# Altium PCB Slave.PcbDoc (part 10 of 10)
Units mm, origin at the board's own origin, x right, y up, seen from the top; angles counter-clockwise.
Board outline 380 x 63 mm, 4 copper layers (Top Copper, Signal Layer 1, Signal Layer 2, Bottom Copper), stack 1.586 mm thick; 259 components, 195 nets, 816 pads, 23336 vias.
Unrouted connection lines stored in the file: 47.
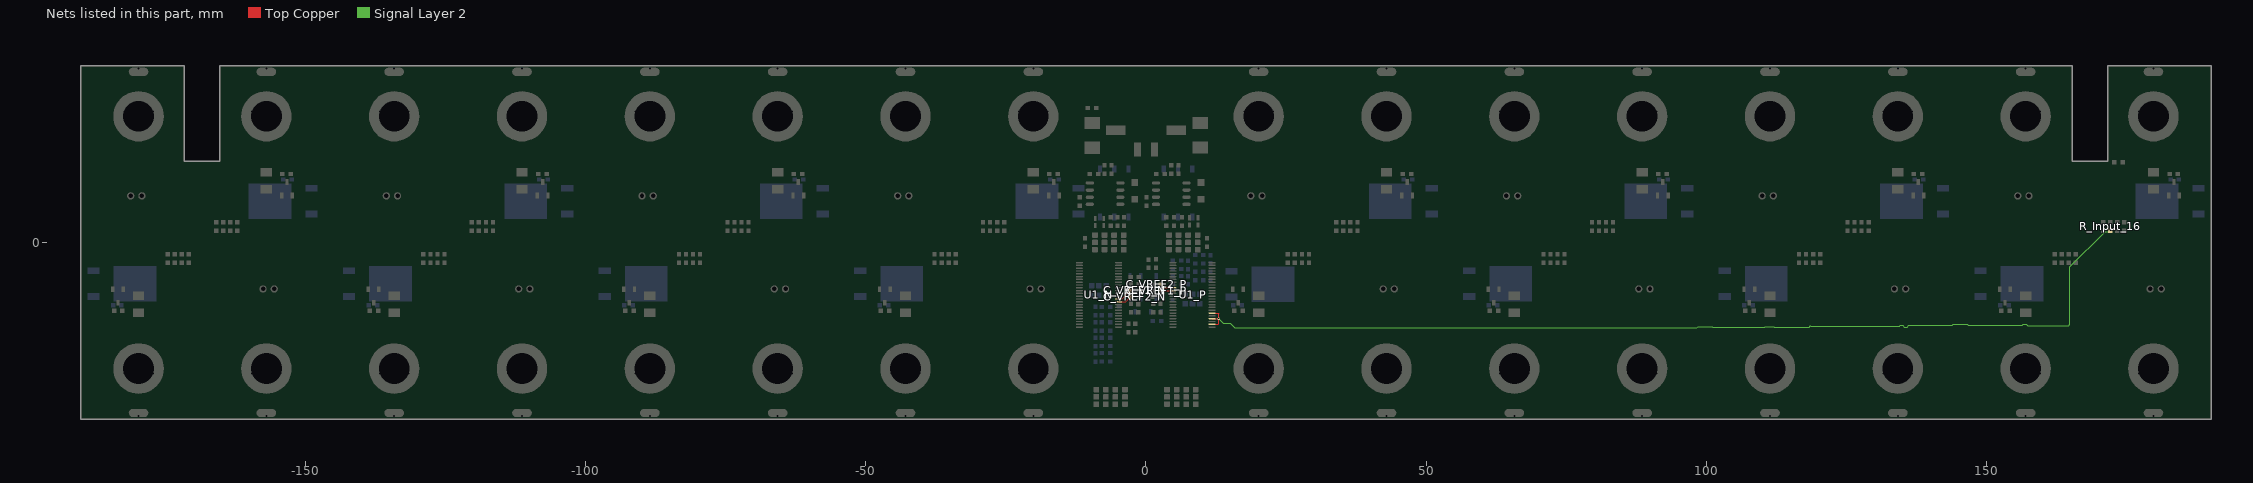
[diagram p12: the nets of this part, all layers, seen from the top]

## Via types
v1: diameter 0.45, hole 0.2, Top Copper to Bottom Copper, tented both sides, 23076 vias
v2: diameter 0.45, hole 0.2, Top Copper to Bottom Copper, 250 vias
v3: diameter 1.2, hole 0.8, Top Copper to Bottom Copper, 10 vias

## Nets (pads, with @x,y where several pads share a name; then routed paths per layer and width w, separated by ;. In a path a pad name is that pad's centre, name@x,y a point inside that pad or via, vN(x,y) a via of type N, cw(c..) or ccw(c..) an arc to the next point about the centre after c; other vN are vias at no path point) (continued)
V8_C2: R_Input_16.2 U1_P.2 U1_P.4 U1_P.6 | length 179.2
  Top Copper w0.102: U1_P.2@11.8,-14.6 12.9,-14.6 13,-14.5 v2@13,-13.575 ; U1_P.4@11.8,-13.6 v2(12.975,-13.6) v2@13,-13.575 ; U1_P.6@11.8,-12.6 12.875,-12.6 13,-12.725 v2@13,-13.575
  Signal Layer 2 w0.102: v2(12.975,-13.6) 13.788,-14.413 15.05,-14.413 15.863,-15.226 98.282,-15.226 98.485,-15.022 101.013,-15.022 101.088,-15.097 110.411,-15.097 110.485,-15.022 112.013,-15.022 112.088,-15.097 118.302,-15.097 118.501,-14.898 118.59,-14.987 134.408,-14.987 134.576,-14.819 134.957,-14.819 135.247,-15.11 135.753,-15.11 136.078,-14.784 143.824,-14.784 143.992,-14.616 146.506,-14.616 146.674,-14.784 156.324,-14.784 156.492,-14.616 157.006,-14.616 157.263,-14.872 164.565,-14.872 164.803,-14.634 164.803,-4.356 171.084,1.925 171.85,1.925 v2(172.025,2.1)
VREF1_N: C_VREF1_N.2 U1_N.35 | length 2.8
  Top Copper w0.102: U1_N.35@-4.9,-10.1 -4.872,-10.072 -4.252,-10.072 -3.099,-8.919 -3.099,-8.894 -2.775,-8.57 C_VREF1_N.2@-2.75,-8.57
VREF1_P: C_VREF1_P.2 U1_P.35 | length 2.2
  Top Copper w0.102: C_VREF1_P.2@2.65,-8.6 U1_P.35@4.8,-8.6
VREF2_N: C_VREF2_N.2 U1_N.34 | length 2.5
  Top Copper w0.102: U1_N.34@-4.9,-10.6 -3.65,-10.6 -3.099,-10.049 -3.099,-10.024 -2.775,-9.7 C_VREF2_N.2@-2.75,-9.7
VREF2_P: C_VREF2_P.2 U1_P.34 | length 2.4
  Top Copper w0.102: C_VREF2_P.2@2.65,-7.5 2.675,-7.5 2.999,-7.824 2.999,-7.849 3.25,-8.1 U1_P.34@4.8,-8.1
pads on no net: U1_N.3 U1_N.5 U1_N.15 U1_N.17 U1_N.39 U1_P.3 U1_P.5 U1_P.15 U1_P.17 U1_P.39 U2_N.5 U2_P.5 X1.TAB1 X1.TAB2 X_IPMA_N.2 X_IPMA_N.5 X_IPMA_P.2 X_IPMA_P.5

## Polygon pours and split planes (outlines as drawn)
NEG1_C2 on Bottom Copper "NEG1_C2_L04_P098" (solid, pour order 98): 9.802,10.73 0.5,10.73 0.5,-31.5 9.825,-31.5
NEG1_C1 on Bottom Copper "NEG1_C1_L04_P096" (solid, pour order 96): -9.802,10.605 -0.5,10.605 -0.5,-31.5 -9.825,-31.5
F_9 on Bottom Copper "F_9_L04_P082" (solid, remove dead copper, pour order 82): 9.8,-3.5 52.8,-3.5 52.8,-16 9.8,-16
F_11 on Bottom Copper "F_11_L04_P074" (solid, remove dead copper, pour order 74): 55.4,-3.5 98.4,-3.5 98.4,-16 55.4,-16
F_13 on Bottom Copper "F_13_L04_P066" (solid, remove dead copper, pour order 66): 101,-3.5 144,-3.5 144,-16 101,-16
F_15 on Bottom Copper "F_15_L04_P058" (solid, remove dead copper, pour order 58): 146.6,-3.5 189.6,-3.5 189.6,-16 146.6,-16
F_7 on Bottom Copper "F_7_L04_P046" (solid, remove dead copper, pour order 46): -53.2,-3.5 -10.2,-3.5 -10.2,-16 -53.2,-16
F_5 on Bottom Copper "F_5_L04_P042" (solid, remove dead copper, pour order 42): -98.8,-3.5 -55.8,-3.5 -55.8,-16 -98.8,-16
F_3 on Bottom Copper "F_3_L04_P038" (solid, remove dead copper, pour order 38): -144.4,-3.5 -101.4,-3.5 -101.4,-16 -144.4,-16
F_1 on Bottom Copper "F_1_L04_P002" (solid, remove dead copper, pour order 2): -190,-3.5 -147,-3.5 -147,-16 -190,-16
F_10 on Bottom Copper "F_10_L04_P086" (solid, remove dead copper, pour order 86): 53.2,3.5 10.2,3.5 10.2,16 53.2,16
F_12 on Bottom Copper "F_12_L04_P078" (solid, remove dead copper, pour order 78): 98.8,3.5 55.8,3.5 55.8,16 98.8,16
F_14 on Bottom Copper "F_14_L04_P070" (solid, remove dead copper, pour order 70): 144.4,3.5 101.4,3.5 101.4,16 144.4,16
F_16 on Bottom Copper "F_16_L04_P062" (solid, remove dead copper, pour order 62): 190,3.5 147,3.5 147,16 190,16
F_8 on Bottom Copper "F_8_L04_P054" (solid, remove dead copper, pour order 54): -9.8,3.5 -52.8,3.5 -52.8,16 -9.8,16
F_6 on Bottom Copper "F_6_L04_P050" (solid, remove dead copper, pour order 50): -55.4,3.5 -98.4,3.5 -98.4,16 -55.4,16
F_4 on Bottom Copper "F_4_L04_P034" (solid, remove dead copper, pour order 34): -101,3.5 -144,3.5 -144,16 -101,16
F_2 on Bottom Copper "F_2_L04_P030" (solid, remove dead copper, pour order 30): -146.7,3.5 -189.7,3.5 -189.7,16 -146.7,16
F_9 on Top Copper "F_9_L01_P084" (solid, remove dead copper, pour order 84): 9.8,-3.5 52.8,-3.5 52.8,-16 9.8,-16
F_13 on Top Copper "F_13_L01_P068" (solid, remove dead copper, pour order 68): 101,-3.5 144,-3.5 144,-16 101,-16
F_15 on Top Copper "F_15_L01_P060" (solid, remove dead copper, pour order 60): 146.6,-3.5 189.6,-3.5 189.6,-16 146.6,-16
F_10 on Top Copper "F_10_L01_P088" (solid, remove dead copper, pour order 88): 53.2,3.5 10.2,3.5 10.2,16 53.2,16
F_12 on Top Copper "F_12_L01_P080" (solid, remove dead copper, pour order 80): 98.8,3.5 55.8,3.5 55.8,16 98.8,16
F_11 on Top Copper "F_11_L01_P076" (solid, remove dead copper, pour order 76): 55.4,-3.5 98.4,-3.5 98.4,-16 55.4,-16
F_14 on Top Copper "F_14_L01_P072" (solid, remove dead copper, pour order 72): 144.4,3.5 101.4,3.5 101.4,16 144.4,16
F_16 on Top Copper "F_16_L01_P064" (solid, remove dead copper, pour order 64): 190,3.5 147,3.5 147,16 190,16
F_1 on Top Copper "F_1_L01_P004" (solid, remove dead copper, pour order 4): -190,-3.5 -147,-3.5 -147,-16 -190,-16
F_8 on Top Copper "F_8_L01_P056" (solid, remove dead copper, pour order 56): -9.8,3.5 -52.8,3.5 -52.8,16 -9.8,16
F_6 on Top Copper "F_6_L01_P052" (solid, remove dead copper, pour order 52): -55.4,3.5 -98.4,3.5 -98.4,16 -55.4,16
F_7 on Top Copper "F_7_L01_P048" (solid, remove dead copper, pour order 48): -53.2,-3.5 -10.2,-3.5 -10.2,-16 -53.2,-16
F_5 on Top Copper "F_5_L01_P044" (solid, remove dead copper, pour order 44): -98.8,-3.5 -55.8,-3.5 -55.8,-16 -98.8,-16
F_3 on Top Copper "F_3_L01_P040" (solid, remove dead copper, pour order 40): -144.4,-3.5 -101.4,-3.5 -101.4,-16 -144.4,-16
F_4 on Top Copper "F_4_L01_P036" (solid, remove dead copper, pour order 36): -101,3.5 -144,3.5 -144,16 -101,16
F_2 on Top Copper "F_2_L01_P032" (solid, remove dead copper, pour order 32): -146.7,3.5 -189.7,3.5 -189.7,16 -146.7,16
NEG1_C2 on Signal Layer 1 "Signal Layer 1-NEG1_N" (solid, pour order 100): 190,16 0.5,16 0.5,-31.5 12.5,-31.5 12.5,-16 190,-16
NEG1_C1 on Signal Layer 1 "Signal Layer 1-NEG1_N" (solid, pour order 90): -190,16 -0.5,16 -0.5,-31.5 -12.5,-31.5 -12.5,-16 -190,-16
no net on Signal Layer 1 "Signal Layer 1-No Net" (solid, pour order 92): -10,15

## Keep-outs
Bottom Copper:
  lines w0.2: -190,-14.5 -189.5,-15 -12.8,-15 -12.8,-31.5 ; -190,15 190,15 ; 12.8,-31.5 12.8,-15 189.5,-15 190,-14.5
Keep-Out Layer:
  the board outline again, w0.2

## Silkscreen, mask and mechanical layers (free items; w line width, h text height)
Top Overlay:
  lines w0.2: -168.45,-13.5 -168.45,13.5 ; -145.65,-13.5 -145.65,13.5 ; -122.85,-13 -122.85,14 ; -100.05,-13 -100.05,14 ; -77.25,-13 -77.25,14 ; -54.45,-13 -54.45,14 ; -31.65,-13 -31.65,14 ; 31.35,-13 31.35,14 ; 54.15,-13 54.15,14 ; 76.95,-13 76.95,14 ; 99.75,-13 99.75,14 ; 122.55,-13 122.55,14 ; 145.35,-13 145.35,14 ; 168.15,-13 168.15,14
  text "Chaitanya Sindagi" at -11.6,29.4 h1.5
  text "Illini Formula" at -5.1,27.3 h0.81
  text "Electric" at -2.8,26.1 h0.81
  text "Apollo 2019" at -5,23.9 h1
  text "1 /  / 0" at -0.375,-29.625 h0.9
  text "0 1 2 3" at -9.05,-30.925 h0.85
  text "3 2 1 0" at 3.55,-30.925 h0.85

## Dimensions
-171.58,14.5 to -171.58,31.5 on Measurements
-171.58,31.625 to -165.23,31.5 on Measurements
-190,31.5 to -171.58,31.5 on Measurements
-190,-31.5 to 190,-31.5 on Measurements
-190,-31.5 to -190,31.5 on Measurements

## Text inside footprints (layer, text, board x,y; h text height)
C_1: Top Overlay "+" at -173.2,-28.6 h3 r180; Top Overlay "-" at -175.7,31.1 h3 r270; Bottom Overlay "-" at -175.7,31.1 h3 r270; Bottom Overlay "+" at -173.2,-28.6 h3 r180
C_2: Top Overlay "+" at -163.4,28.6 h3; Top Overlay "-" at -160.9,-31.1 h3 r90; Bottom Overlay "-" at -160.9,-31.1 h3 r90; Bottom Overlay "+" at -163.4,28.6 h3
C_3: Top Overlay "+" at -127.6,-28.6 h3 r180; Top Overlay "-" at -130.1,31.1 h3 r270; Bottom Overlay "-" at -130.1,31.1 h3 r270; Bottom Overlay "+" at -127.6,-28.6 h3 r180
C_4: Top Overlay "+" at -117.8,28.6 h3; Top Overlay "-" at -115.3,-31.1 h3 r90; Bottom Overlay "-" at -115.3,-31.1 h3 r90; Bottom Overlay "+" at -117.8,28.6 h3
C_5: Top Overlay "+" at -82,-28.6 h3 r180; Top Overlay "-" at -84.5,31.1 h3 r270; Bottom Overlay "-" at -84.5,31.1 h3 r270; Bottom Overlay "+" at -82,-28.6 h3 r180
C_6: Top Overlay "+" at -72.2,28.6 h3; Top Overlay "-" at -69.7,-31.1 h3 r90; Bottom Overlay "-" at -69.7,-31.1 h3 r90; Bottom Overlay "+" at -72.2,28.6 h3
C_7: Top Overlay "+" at -36.4,-28.6 h3 r180; Top Overlay "-" at -38.9,31.1 h3 r270; Bottom Overlay "-" at -38.9,31.1 h3 r270; Bottom Overlay "+" at -36.4,-28.6 h3 r180
C_8: Top Overlay "+" at -26.6,28.6 h3; Top Overlay "-" at -24.1,-31.1 h3 r90; Bottom Overlay "-" at -24.1,-31.1 h3 r90; Bottom Overlay "+" at -26.6,28.6 h3
C_9: Top Overlay "+" at 26.6,-28.6 h3 r180; Top Overlay "-" at 24.1,31.1 h3 r270; Bottom Overlay "-" at 24.1,31.1 h3 r270; Bottom Overlay "+" at 26.6,-28.6 h3 r180
C_10: Top Overlay "+" at 36.4,28.6 h3; Top Overlay "-" at 38.9,-31.1 h3 r90; Bottom Overlay "-" at 38.9,-31.1 h3 r90; Bottom Overlay "+" at 36.4,28.6 h3
C_11: Top Overlay "+" at 72.2,-28.6 h3 r180; Top Overlay "-" at 69.7,31.1 h3 r270; Bottom Overlay "-" at 69.7,31.1 h3 r270; Bottom Overlay "+" at 72.2,-28.6 h3 r180
C_12: Top Overlay "+" at 82,28.6 h3; Top Overlay "-" at 84.5,-31.1 h3 r90; Bottom Overlay "-" at 84.5,-31.1 h3 r90; Bottom Overlay "+" at 82,28.6 h3
C_13: Top Overlay "+" at 117.8,-28.6 h3 r180; Top Overlay "-" at 115.3,31.1 h3 r270; Bottom Overlay "-" at 115.3,31.1 h3 r270; Bottom Overlay "+" at 117.8,-28.6 h3 r180
C_14: Top Overlay "+" at 127.6,28.6 h3; Top Overlay "-" at 130.1,-31.1 h3 r90; Bottom Overlay "-" at 130.1,-31.1 h3 r90; Bottom Overlay "+" at 127.6,28.6 h3
C_15: Top Overlay "+" at 163.4,-28.6 h3 r180; Top Overlay "-" at 160.9,31.1 h3 r270; Bottom Overlay "-" at 160.9,31.1 h3 r270; Bottom Overlay "+" at 163.4,-28.6 h3 r180
C_16: Top Overlay "+" at 173.2,28.6 h3; Top Overlay "-" at 175.7,-31.1 h3 r90; Bottom Overlay "-" at 175.7,-31.1 h3 r90; Bottom Overlay "+" at 173.2,28.6 h3